# Altium PCB Slave.PcbDoc (part 1 of 11)
Units mm, origin at the board's own origin, x right, y up, seen from the top; angles counter-clockwise.
Board outline 380 x 63 mm, 4 copper layers (Top Copper, Signal Layer 1, Signal Layer 2, Bottom Copper), stack 1.586 mm thick; 256 components, 191 nets, 731 pads, 24161 vias.
Unrouted connection lines stored in the file: 14.
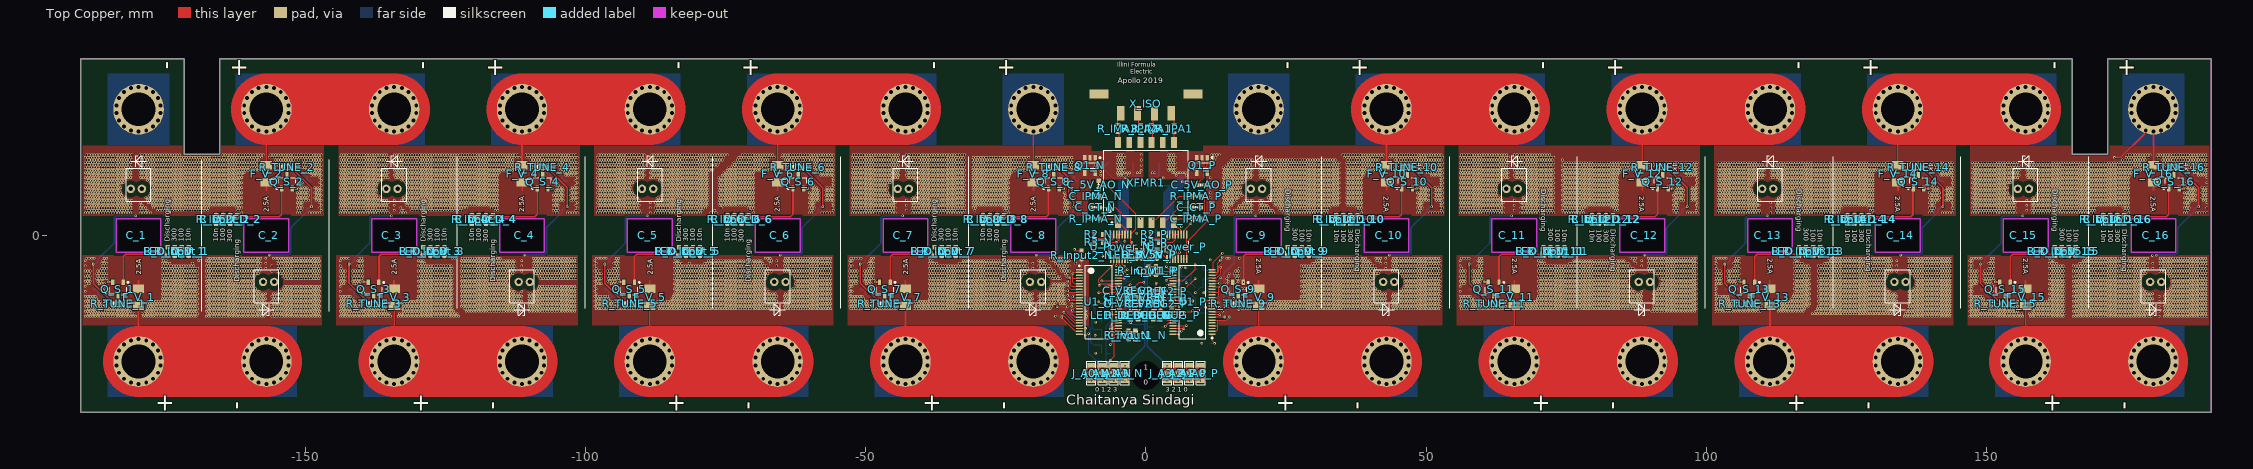
[diagram p0: Top Copper view]
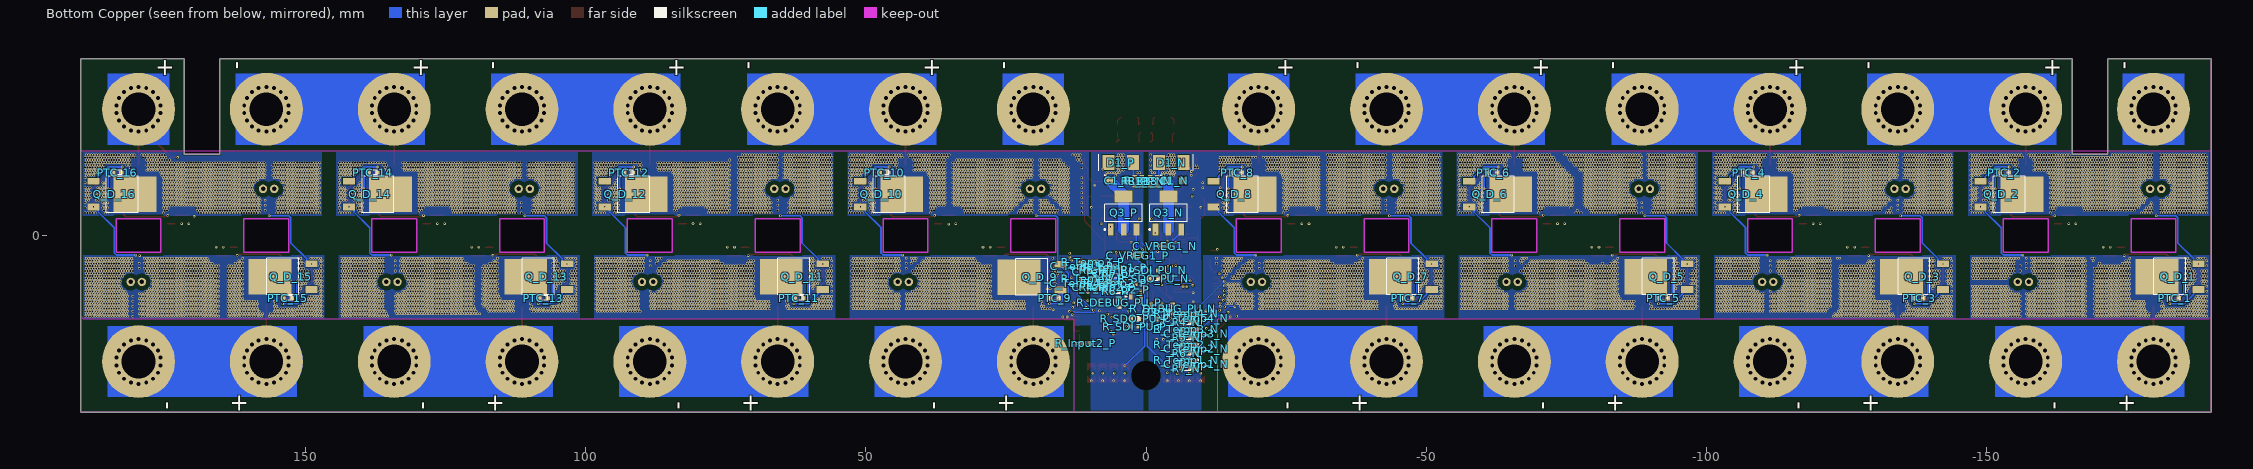
[diagram p1: Bottom Copper view, seen from below]
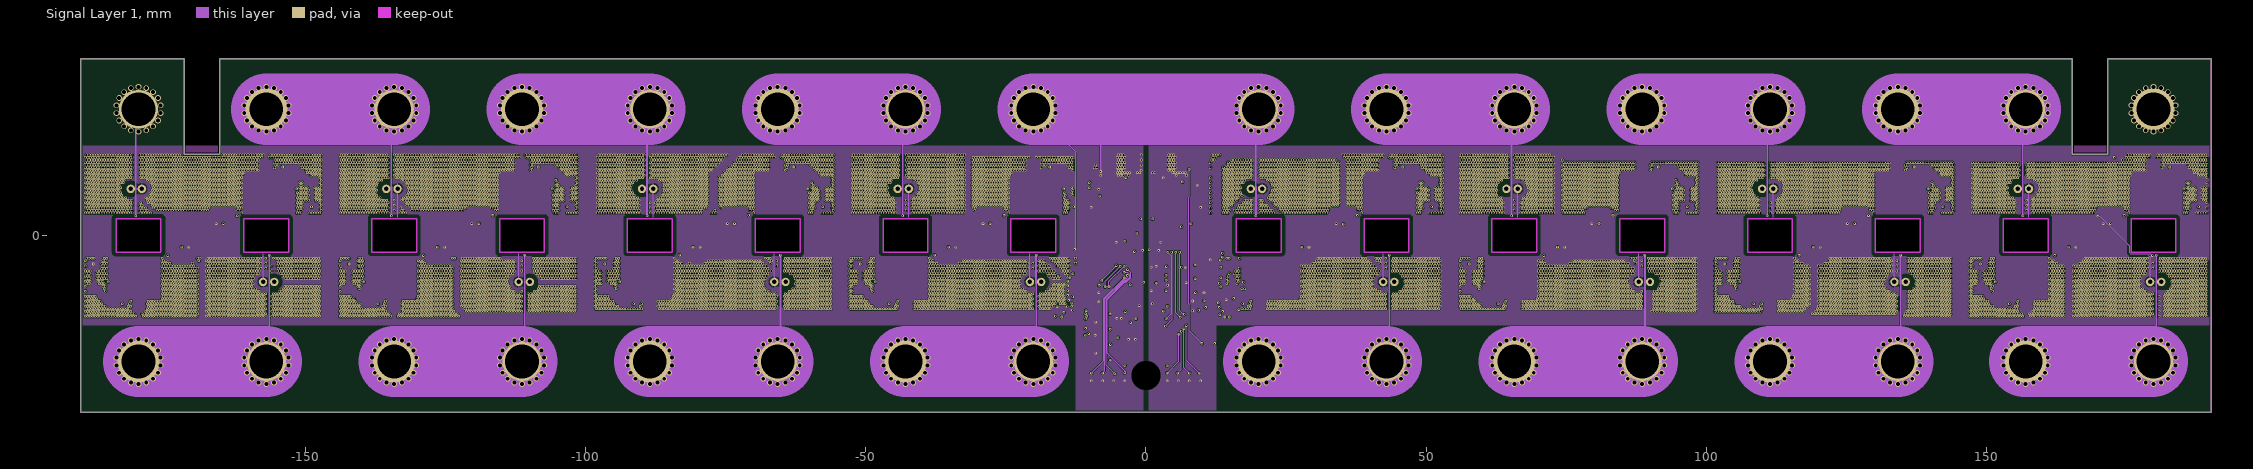
[diagram p2: Signal Layer 1]
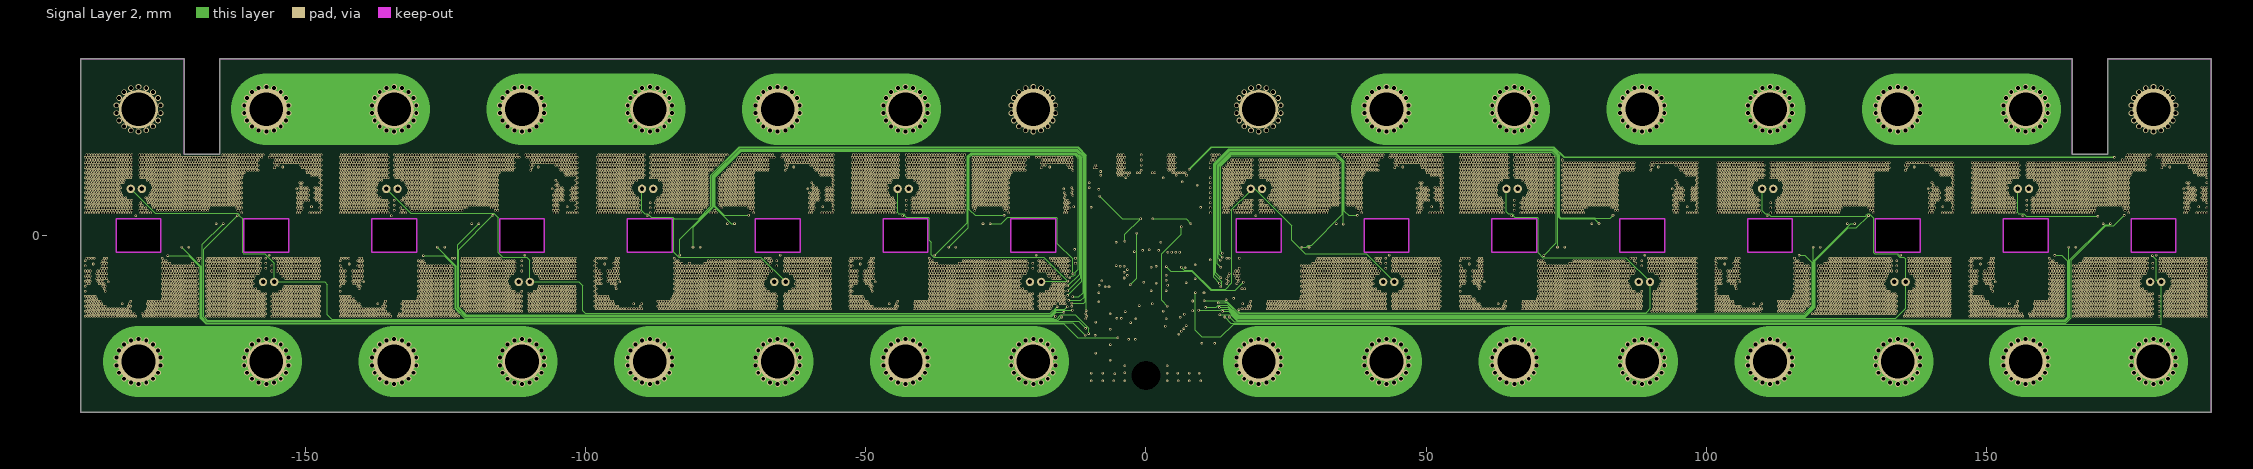
[diagram p3: Signal Layer 2]

## Layer stack, top to bottom
Top Mask: solder mask 0.01, Solder Resist, Dk 3.8
Top Copper: signal copper 0.035
Dielectric 1: prepreg 0.1803, PP-021, Dk 4.7
Signal Layer 1: signal copper 0.0175
Core: core 1.12, FR-4, Dk 4.5
Signal Layer 2: signal copper 0.0175
Dielectric 2: prepreg 0.1803, PP-021, Dk 4.7
Bottom Copper: signal copper 0.035
Bottom Mask: solder mask 0.1, Solder Resist, Dk 3.8

## Board outline
-190,-31.5 -190,31.5 -171.58,31.5 -171.58,14.5 -165.23,14.5 -165.23,31.5 165.23,31.5 165.23,14.5 171.58,14.5 171.58,31.5 190,31.5 190,-31.5

## Design rules (kind name [scope] priority, off if disabled: settings)
Clearance "Temp sensor Clearance" [HasFootprint('Li1x7pVTC6T')] p1: gap=0.75 ignorepadtopadclearanceinfootprint=TRUE
Clearance HV_Isolated [InNetClass('ISO')] p2: gap=0.8 ignorepadtopadclearanceinfootprint=FALSE
Clearance "Board Outline" [OnLayer('Keep-Out Layer')] p3: gap=0.2 ignorepadtopadclearanceinfootprint=TRUE
Clearance [All] p4: gap=0.102 ignorepadtopadclearanceinfootprint=TRUE
ComponentClearance [All] p1: gap=0 collisioncheckmode=3 verticalgap=0 showdistances=FALSE
FanoutControl Fanout_SOIC [IsSOIC] p3: bgadir=Out bgaviamode=Centered fanoutstyle=Auto fanoutdirection=InThenOut viagrid=0.025 // Fanout_SOIC (Default Rule)
HoleSize [All] p1: absolutevalues=TRUE maxlimit=6.3 minlimit=0.2 maxpercent=80.000 minpercent=20.000
HoleToHoleClearance [All] p1: gap=0.15 allowstackedmicrovias=TRUE
MinimumAnnularRing [All] p1: minimumring=0.076
MinimumSolderMaskSliver [All] p1: minsoldermaskwidth=0.051
PolygonConnect "Power components" [HasFootprint('FUSE1206') OR (HasFootprint('TO252') OR HasFootprint('NTC-0603')) OR HasFootprint('SOT23-5')] p1: connectstyle=Direct reliefconductorwidth=10 reliefentries=4 polygonreliefangle="90 Angle" airgapwidth=0.254
PolygonConnect [All] p2: thpad.connectstyle=Relief thpad.reliefconductorwidth=0.254 thpad.reliefentries=4 thpad.polygonreliefangle="90 Angle" thpad.airgapwidth=0.254 smdpad.connectstyle=Relief smdpad.reliefconductorwidth=0.254 smdpad.reliefentries=4 smdpad.polygonreliefangle="90 Angle" smdpad.airgapwidth=0.254 via.connectstyle=Direct via.reliefconductorwidth=0.254 via.reliefentries=4 via.polygonreliefangle="90 Angle" via.airgapwidth=0.254
RoomDefinition 16 [InComponentClass('16')] p1: confinementstyle=ConfineIn formatcopy=TRUE lockcomponents=FALSE outline 190,32.525 167.2,32.525 167.2,-32.5 190,-32.5
RoomDefinition 15 [InComponentClass('15')] p2: confinementstyle=ConfineIn formatcopy=TRUE lockcomponents=FALSE outline 144.4,-32.5 167.2,-32.5 167.2,32.525 144.4,32.525
RoomDefinition 12 [InComponentClass('12')] p3: confinementstyle=ConfineIn formatcopy=TRUE lockcomponents=FALSE outline 98.8,32.525 76,32.525 76,-32.5 98.8,-32.5
RoomDefinition 11 [InComponentClass('11')] p4: confinementstyle=ConfineIn formatcopy=TRUE lockcomponents=FALSE outline 53.2,-32.5 76,-32.5 76,32.525 53.2,32.525
RoomDefinition 10 [InComponentClass('10')] p5: confinementstyle=ConfineIn formatcopy=TRUE lockcomponents=FALSE outline 53.2,32.525 30.4,32.525 30.4,-32.5 53.2,-32.5
RoomDefinition 9 [InComponentClass('9')] p6: confinementstyle=ConfineIn formatcopy=TRUE lockcomponents=FALSE outline 7.6,-32.5 30.4,-32.5 30.4,32.525 7.6,32.525
RoomDefinition 8 [InComponentClass('8')] p7: confinementstyle=ConfineIn formatcopy=TRUE lockcomponents=FALSE outline -7.6,32.5 -30.4,32.5 -30.4,-32.525 -7.6,-32.525
RoomDefinition 7 [InComponentClass('7')] p8: confinementstyle=ConfineIn formatcopy=TRUE lockcomponents=FALSE outline -53.2,-32.525 -30.4,-32.525 -30.4,32.5 -53.2,32.5
RoomDefinition 6 [InComponentClass('6')] p9: confinementstyle=ConfineIn formatcopy=TRUE lockcomponents=FALSE outline -53.2,32.5 -76,32.5 -76,-32.525 -53.2,-32.525
RoomDefinition 5 [InComponentClass('5')] p10: confinementstyle=ConfineIn formatcopy=TRUE lockcomponents=FALSE outline -98.8,-32.525 -76,-32.525 -76,32.5 -98.8,32.5
RoomDefinition 4 [InComponentClass('4')] p11: confinementstyle=ConfineIn formatcopy=TRUE lockcomponents=FALSE outline -98.8,32.5 -121.6,32.5 -121.6,-32.525 -98.8,-32.525
RoomDefinition 3 [InComponentClass('3')] p12: confinementstyle=ConfineIn formatcopy=TRUE lockcomponents=FALSE outline -144.4,-32.525 -121.6,-32.525 -121.6,32.5 -144.4,32.5
RoomDefinition 2 [InComponentClass('2')] p13: confinementstyle=ConfineIn formatcopy=TRUE lockcomponents=FALSE outline -144.4,32.5 -167.2,32.5 -167.2,-32.525 -144.4,-32.525
RoomDefinition 1 [InComponentClass('1')] p14: confinementstyle=ConfineIn formatcopy=TRUE lockcomponents=FALSE outline -190,-32.525 -167.2,-32.525 -167.2,32.5 -190,32.5
RoomDefinition 14 [InComponentClass('14')] p15: confinementstyle=ConfineIn formatcopy=TRUE lockcomponents=FALSE outline 144.4,32.525 121.6,32.525 121.6,-32.5 144.4,-32.5
RoomDefinition 13 [InComponentClass('13')] p16: confinementstyle=ConfineIn formatcopy=TRUE lockcomponents=FALSE outline 98.8,-32.5 121.6,-32.5 121.6,32.525 98.8,32.525
RoutingVias [All] p1: holewidth=0.2 width=0.45 viastyle="Through Hole" minholewidth=0.2 minwidth=0.45 maxholewidth=0.4 maxwidth=1
SilkToSilkClearance [All] p1: silktosilkclearance=0
SilkToSolderMaskClearance [IsPad] p1: minsilkscreentomaskgap=0 clearancetoexposedcopper=TRUE
SolderMaskExpansion [All] p1: expansion=0.102
ViasUnderSMD [All] p1: allowed=TRUE
Width [All] p1: maxlimit=12.7 minlimit=0.102 preferedwidth=0.254
23 further rules are at their usual default settings.

## Classes and differential pairs
net class ISO: IMA_ISON IMA_ISOP IPA_ISON IPA_ISOP NetR_IMA1_2 NetR_IMA2_2 NetR_IPA1_2 NetR_IPA2_2
channel class Half_Slave: N P
channel class Cells: U_Cells1 U_Cells2
channel class Cell: 1 2 3 4 5 6 7 8 9 10 11 12 13 14 15 16
component class Slave: R_IMA1 R_IMA2 R_IPA1 R_IPA2 X_ISO XFMR1
component class P: C1_P C_5V_AO_P C_CT_P C_IPMA_P C_Temp1_P C_Temp2_P C_Temp3_P C_Temp4_P C_V1_P C_VREF1_P C_VREF2_P C_VREG1_P C_VREG2_P D1_P J_A0_P J_A1_P J_A2_P J_A3_P LED_5V_P LED_DEBUG_P Q1_P Q2_P Q3_P R1_P R2_P R3_P R4_P R5_P R6_P R7_P R8_P R_5V_P R_DEBUG_P R_DEBUG_PU_P R_Input1_P R_Input2_P R_IPMA_P R_SDI_PU_P R_SDO_PU_P R_Temp1_P R_Temp2_P R_Temp3_P R_Temp4_P U1_P U_Power_P
component class N: C1_N C_5V_AO_N C_CT_N C_IPMA_N C_Temp1_N C_Temp2_N C_Temp3_N C_Temp4_N C_V1_N C_VREF1_N C_VREF2_N C_VREG1_N C_VREG2_N D1_N J_A0_N J_A1_N J_A2_N J_A3_N LED_5V_N LED_DEBUG_N Q1_N Q2_N Q3_N R1_N R2_N R3_N R4_N R5_N R6_N R7_N R8_N R_5V_N R_DEBUG_N R_DEBUG_PU_N R_Input1_N R_Input2_N R_IPMA_N R_SDI_PU_N R_SDO_PU_N R_Temp1_N R_Temp2_N R_Temp3_N R_Temp4_N U1_N U_Power_N
component class 16: C_16 C_V_16 F_V_16 LED_D_16 PTC_16 Q_D_16 Q_S_16 R_D_LED_16 R_Input_16 R_TUNE_16
component class 15: C_15 C_V_15 F_V_15 LED_D_15 PTC_15 Q_D_15 Q_S_15 R_D_LED_15 R_Input_15 R_TUNE_15
component class 14: C_14 C_V_14 F_V_14 LED_D_14 PTC_14 Q_D_14 Q_S_14 R_D_LED_14 R_Input_14 R_TUNE_14
component class 13: C_13 C_V_13 F_V_13 LED_D_13 PTC_13 Q_D_13 Q_S_13 R_D_LED_13 R_Input_13 R_TUNE_13
component class 12: C_12 C_V_12 F_V_12 LED_D_12 PTC_12 Q_D_12 Q_S_12 R_D_LED_12 R_Input_12 R_TUNE_12
component class 11: C_11 C_V_11 F_V_11 LED_D_11 PTC_11 Q_D_11 Q_S_11 R_D_LED_11 R_Input_11 R_TUNE_11
component class 10: C_10 C_V_10 F_V_10 LED_D_10 PTC_10 Q_D_10 Q_S_10 R_D_LED_10 R_Input_10 R_TUNE_10
component class 9: C_9 C_V_9 F_V_9 LED_D_9 PTC_9 Q_D_9 Q_S_9 R_D_LED_9 R_Input_9 R_TUNE_9
component class 8: C_8 C_V_8 F_V_8 LED_D_8 PTC_8 Q_D_8 Q_S_8 R_D_LED_8 R_Input_8 R_TUNE_8
component class 7: C_7 C_V_7 F_V_7 LED_D_7 PTC_7 Q_D_7 Q_S_7 R_D_LED_7 R_Input_7 R_TUNE_7
component class 6: C_6 C_V_6 F_V_6 LED_D_6 PTC_6 Q_D_6 Q_S_6 R_D_LED_6 R_Input_6 R_TUNE_6
component class 5: C_5 C_V_5 F_V_5 LED_D_5 PTC_5 Q_D_5 Q_S_5 R_D_LED_5 R_Input_5 R_TUNE_5
component class 4: C_4 C_V_4 F_V_4 LED_D_4 PTC_4 Q_D_4 Q_S_4 R_D_LED_4 R_Input_4 R_TUNE_4
component class 3: C_3 C_V_3 F_V_3 LED_D_3 PTC_3 Q_D_3 Q_S_3 R_D_LED_3 R_Input_3 R_TUNE_3
component class 2: C_2 C_V_2 F_V_2 LED_D_2 PTC_2 Q_D_2 Q_S_2 R_D_LED_2 R_Input_2 R_TUNE_2
component class 1: C_1 C_V_1 F_V_1 LED_D_1 PTC_1 Q_D_1 Q_S_1 R_D_LED_1 R_Input_1 R_TUNE_1

## Components (designator, comment, footprint, x,y, rotation, side; value= is the part's Value field where it differs from the comment)
C1_N "CAP-1206" CAPCP3216X16N -5,9.75 r180 bottom (schematic designator C1)
C1_P "CAP-1206" CAPCP3216X16N 5,9.75 r180 bottom (schematic designator C1)
C_1 "?" Li1x7pVTC6T -179.7,0 r180 top (schematic designator C)
C_2 "?" Li1x7pVTC6T -156.9,0 r0 top (schematic designator C)
C_3 "?" Li1x7pVTC6T -134.1,0 r180 top (schematic designator C)
C_4 "?" Li1x7pVTC6T -111.3,0 r0 top (schematic designator C)
C_5 "?" Li1x7pVTC6T -88.5,0 r180 top (schematic designator C)
C_5V_AO_N "2.2u" CAP-0603 -8.433,9 r270 top (schematic designator C_5V_AO)
C_5V_AO_P "2.2u" CAP-0603 9.9,9 r180 top (schematic designator C_5V_AO)
C_6 "?" Li1x7pVTC6T -65.7,0 r0 top (schematic designator C)
C_7 "?" Li1x7pVTC6T -42.9,0 r180 top (schematic designator C)
C_8 "?" Li1x7pVTC6T -20.1,0 r0 top (schematic designator C)
C_9 "?" Li1x7pVTC6T 20.1,0 r180 top (schematic designator C)
C_10 "?" Li1x7pVTC6T 42.9,0 r0 top (schematic designator C)
C_11 "?" Li1x7pVTC6T 65.7,0 r180 top (schematic designator C)
C_12 "?" Li1x7pVTC6T 88.5,0 r0 top (schematic designator C)
C_13 "?" Li1x7pVTC6T 111.3,0 r180 top (schematic designator C)
C_14 "?" Li1x7pVTC6T 134.1,0 r0 top (schematic designator C)
C_15 "?" Li1x7pVTC6T 156.9,0 r180 top (schematic designator C)
C_16 "?" Li1x7pVTC6T 179.7,0 r0 top (schematic designator C)
C_CT_N "CAP 10n" CAP-0603 -9,5 r180 top (schematic designator C_CT)
C_CT_P "CAP 10n" CAP-0603 9,5 r0 top (schematic designator C_CT)
C_IPMA_N "CAP 15p" CAP-0603 -9,7 r180 top (schematic designator C_IPMA)
C_IPMA_P "CAP 15p" CAP-0603 9,3 r0 top (schematic designator C_IPMA)
C_Temp1_N "CAP 10n" CAP-0603 -9,-23 r90 bottom (schematic designator C_Temp1)
C_Temp1_P "CAP 10n" CAP-0603 7.5,-6.5 r270 bottom (schematic designator C_Temp1)
C_Temp2_N "CAP 10n" CAP-0603 -9,-20.25 r90 bottom (schematic designator C_Temp2)
C_Temp2_P "CAP 10n" CAP-0603 7.5,-9.25 r270 bottom (schematic designator C_Temp2)
C_Temp3_N "CAP 10n" CAP-0603 -9,-17.5 r90 bottom (schematic designator C_Temp3)
C_Temp3_P "CAP 10n" CAP-0603 11.5,-5.5 r270 bottom (schematic designator C_Temp3)
C_Temp4_N "CAP 10n" CAP-0603 -9,-14.75 r90 bottom (schematic designator C_Temp4)
C_Temp4_P "CAP 10n" CAP-0603 11.532,-8.509 r90 bottom (schematic designator C_Temp4)
C_V1_N "CAP 10n" CAP-0603 -3.1,-17.8 r90 top (schematic designator C_V1)
C_V1_P "CAP 10n" CAP-0603 1.81,-6.29 r270 top (schematic designator C_V1)
C_V_1 "10n" CAP-0603 -170.75,-2.85 r270 top (schematic designator C_V)
C_V_2 "10n" CAP-0603 -165.85,2.85 r90 top (schematic designator C_V)
C_V_3 "10n" CAP-0603 -125.15,-2.85 r270 top (schematic designator C_V)
C_V_4 "10n" CAP-0603 -120.25,2.85 r90 top (schematic designator C_V)
C_V_5 "10n" CAP-0603 -79.55,-2.85 r270 top (schematic designator C_V)
C_V_6 "10n" CAP-0603 -74.65,2.85 r90 top (schematic designator C_V)
C_V_7 "10n" CAP-0603 -33.95,-2.85 r270 top (schematic designator C_V)
C_V_8 "10n" CAP-0603 -29.05,2.85 r90 top (schematic designator C_V)
C_V_9 "10n" CAP-0603 29.05,-2.85 r270 top (schematic designator C_V)
C_V_10 "10n" CAP-0603 33.95,2.85 r90 top (schematic designator C_V)
C_V_11 "10n" CAP-0603 74.65,-2.85 r270 top (schematic designator C_V)
C_V_12 "10n" CAP-0603 79.55,2.85 r90 top (schematic designator C_V)
C_V_13 "10n" CAP-0603 120.25,-2.85 r270 top (schematic designator C_V)
C_V_14 "10n" CAP-0603 125.15,2.85 r90 top (schematic designator C_V)
C_V_15 "10n" CAP-0603 165.85,-2.85 r270 top (schematic designator C_V)
C_V_16 "10n" CAP-0603 170.75,2.85 r90 top (schematic designator C_V)
C_VREF1_N "CAP 1u" CAP-0603 -2,-11.07 r180 top (schematic designator C_VREF1)
C_VREF1_P "CAP 1u" CAP-0603 1.9,-11.1 r0 top (schematic designator C_VREF1)
C_VREF2_N "CAP 1u" CAP-0603 -2,-12.2 r180 top (schematic designator C_VREF2)
C_VREF2_P "CAP 1u" CAP-0603 1.9,-10 r0 top (schematic designator C_VREF2)
C_VREG1_N "CAP 1u" CAP-0603 -3.302,-1.905 r180 bottom (schematic designator C_VREG1)
C_VREG1_P "CAP 1u" CAP-0603 1.5,-3.599 r0 bottom (schematic designator C_VREG1)
C_VREG2_N "CAP 1u" CAP-0603 -2,-9.9 r180 top (schematic designator C_VREG2)
C_VREG2_P "CAP 1u" CAP-0603 1.9,-12.2 r0 top (schematic designator C_VREG2)
D1_N "?" SMB -4.5,13 r0 bottom (schematic designator D1)
D1_P "?" SMB 4.5,13 r180 bottom (schematic designator D1)
F_V_1 "2.5A" FUSE1206 -179.7,-11.025 r90 top (schematic designator F_V)
F_V_2 "2.5A" FUSE1206 -156.9,11.025 r270 top (schematic designator F_V)
F_V_3 "2.5A" FUSE1206 -134.1,-11.025 r90 top (schematic designator F_V)
F_V_4 "2.5A" FUSE1206 -111.3,11.025 r270 top (schematic designator F_V)
F_V_5 "2.5A" FUSE1206 -88.5,-11.025 r90 top (schematic designator F_V)
F_V_6 "2.5A" FUSE1206 -65.7,11.025 r270 top (schematic designator F_V)
F_V_7 "2.5A" FUSE1206 -42.9,-11.025 r90 top (schematic designator F_V)
F_V_8 "2.5A" FUSE1206 -20.1,11.025 r270 top (schematic designator F_V)
F_V_9 "2.5A" FUSE1206 20.1,-11.025 r90 top (schematic designator F_V)
F_V_10 "2.5A" FUSE1206 42.9,11.025 r270 top (schematic designator F_V)
F_V_11 "2.5A" FUSE1206 65.7,-11.025 r90 top (schematic designator F_V)
F_V_12 "2.5A" FUSE1206 88.5,11.025 r270 top (schematic designator F_V)
F_V_13 "2.5A" FUSE1206 111.3,-11.025 r90 top (schematic designator F_V)
F_V_14 "2.5A" FUSE1206 134.1,11.025 r270 top (schematic designator F_V)
F_V_15 "2.5A" FUSE1206 156.9,-11.025 r90 top (schematic designator F_V)
F_V_16 "2.5A" FUSE1206 179.7,11.025 r270 top (schematic designator F_V)
J_A0_N "DPDT Solder Jumper" "DPDT Solder" -9.75,-24.55 r90 top (schematic designator J_A0)
J_A0_P "DPDT Solder Jumper" "DPDT Solder" 9.75,-24.55 r90 top (schematic designator J_A0)
J_A1_N "DPDT Solder Jumper" "DPDT Solder" -7.75,-24.55 r90 top (schematic designator J_A1)
J_A1_P "DPDT Solder Jumper" "DPDT Solder" 7.75,-24.55 r90 top (schematic designator J_A1)
J_A2_N "DPDT Solder Jumper" "DPDT Solder" -5.75,-24.55 r90 top (schematic designator J_A2)
J_A2_P "DPDT Solder Jumper" "DPDT Solder" 5.75,-24.55 r90 top (schematic designator J_A2)
J_A3_N "DPDT Solder Jumper" "DPDT Solder" -3.75,-24.55 r90 top (schematic designator J_A3)
J_A3_P "DPDT Solder Jumper" "DPDT Solder" 3.75,-24.55 r90 top (schematic designator J_A3)
LED_5V_N "DEBUG" LED-0603 -1.821,-3.424 r270 top (schematic designator LED_5V)
LED_5V_P "DEBUG" LED-0603 0.613,-3.443 r270 top (schematic designator LED_5V)
LED_D_1 "Discharging" LED-0603 -174.5,-2.85 r270 top (schematic designator LED_D)
LED_D_2 "Discharging" LED-0603 -162.1,2.85 r90 top (schematic designator LED_D)
LED_D_3 "Discharging" LED-0603 -128.9,-2.85 r270 top (schematic designator LED_D)
LED_D_4 "Discharging" LED-0603 -116.5,2.85 r90 top (schematic designator LED_D)
LED_D_5 "Discharging" LED-0603 -83.3,-2.85 r270 top (schematic designator LED_D)
LED_D_6 "Discharging" LED-0603 -70.9,2.85 r90 top (schematic designator LED_D)
LED_D_7 "Discharging" LED-0603 -37.7,-2.85 r270 top (schematic designator LED_D)
LED_D_8 "Discharging" LED-0603 -25.3,2.85 r90 top (schematic designator LED_D)
LED_D_9 "Discharging" LED-0603 25.3,-2.85 r270 top (schematic designator LED_D)
LED_D_10 "Discharging" LED-0603 37.7,2.85 r90 top (schematic designator LED_D)
LED_D_11 "Discharging" LED-0603 70.9,-2.85 r270 top (schematic designator LED_D)